# Altium PCB GSM.PcbDoc (part 1 of 2)
Units mm, origin at the board's own origin, x right, y up, seen from the top; angles counter-clockwise.
Board outline 70.85 x 70.33 mm, 4 copper layers (Top Layer, Layer 1, Layer 2, Bottom Layer), stack 1.569 mm thick; 227 components, 127 nets, 668 pads, 229 vias.
Unrouted connection lines stored in the file: 10.
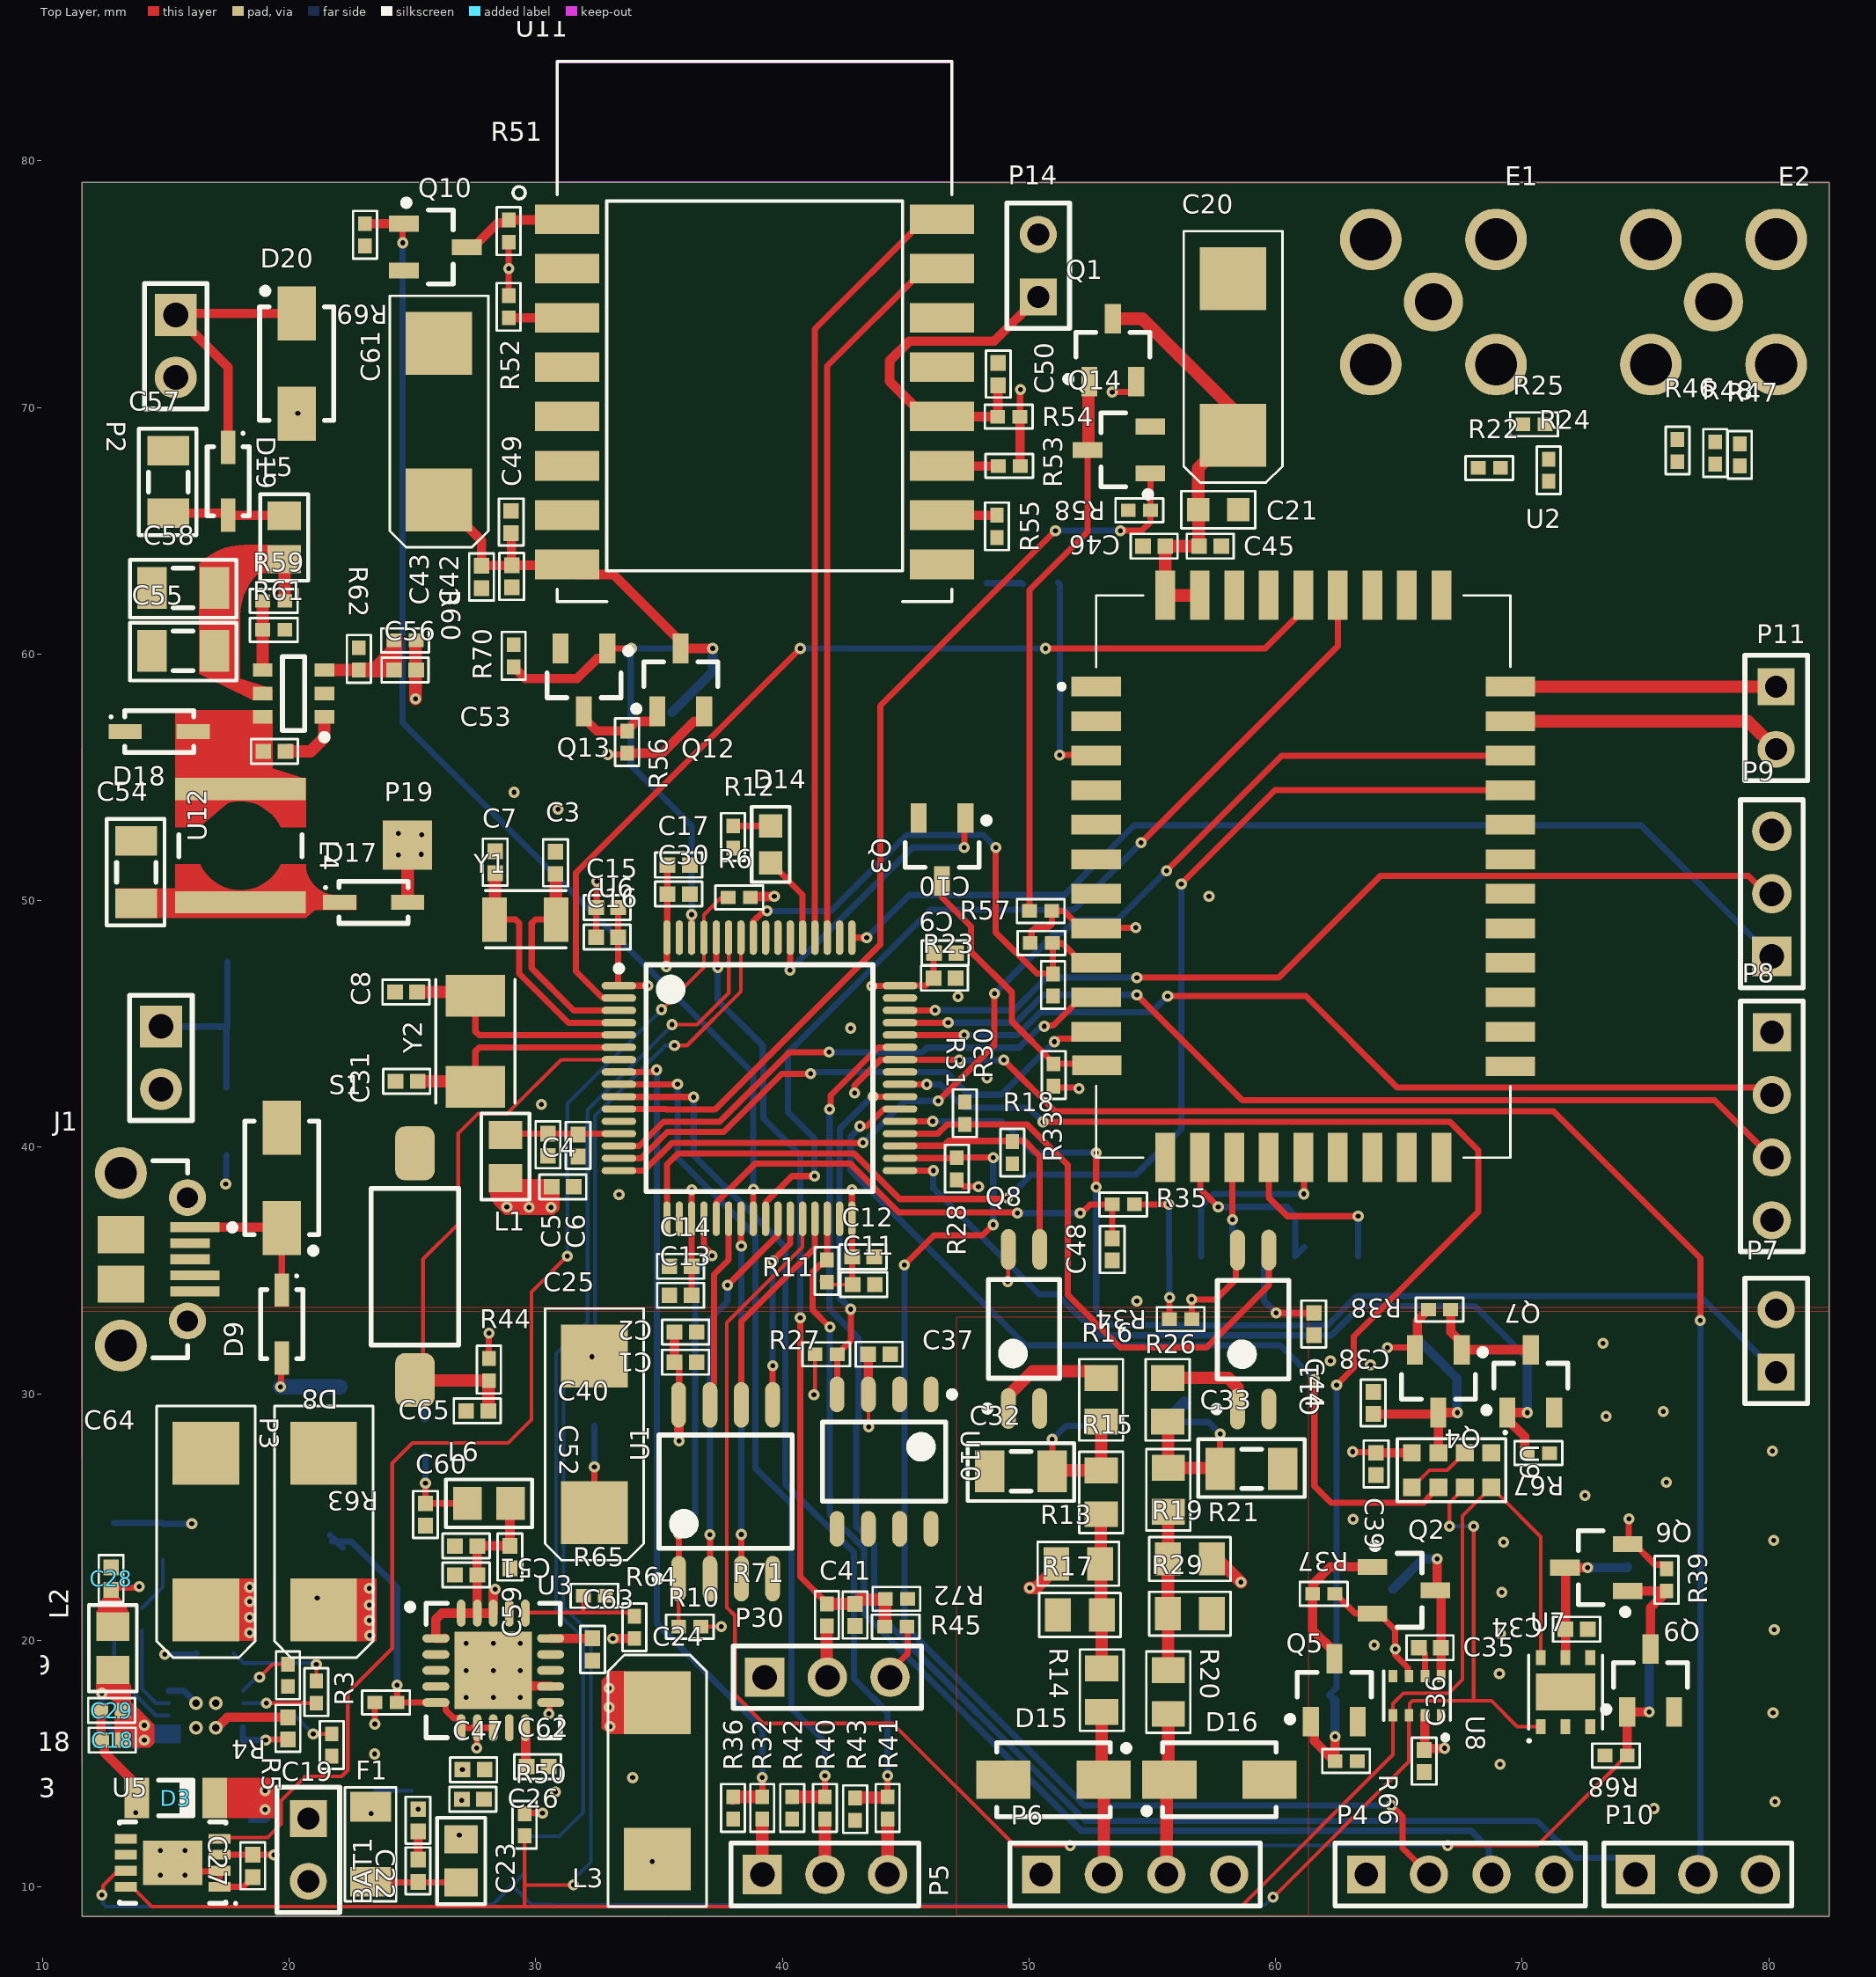
[diagram p0: Top Layer view]
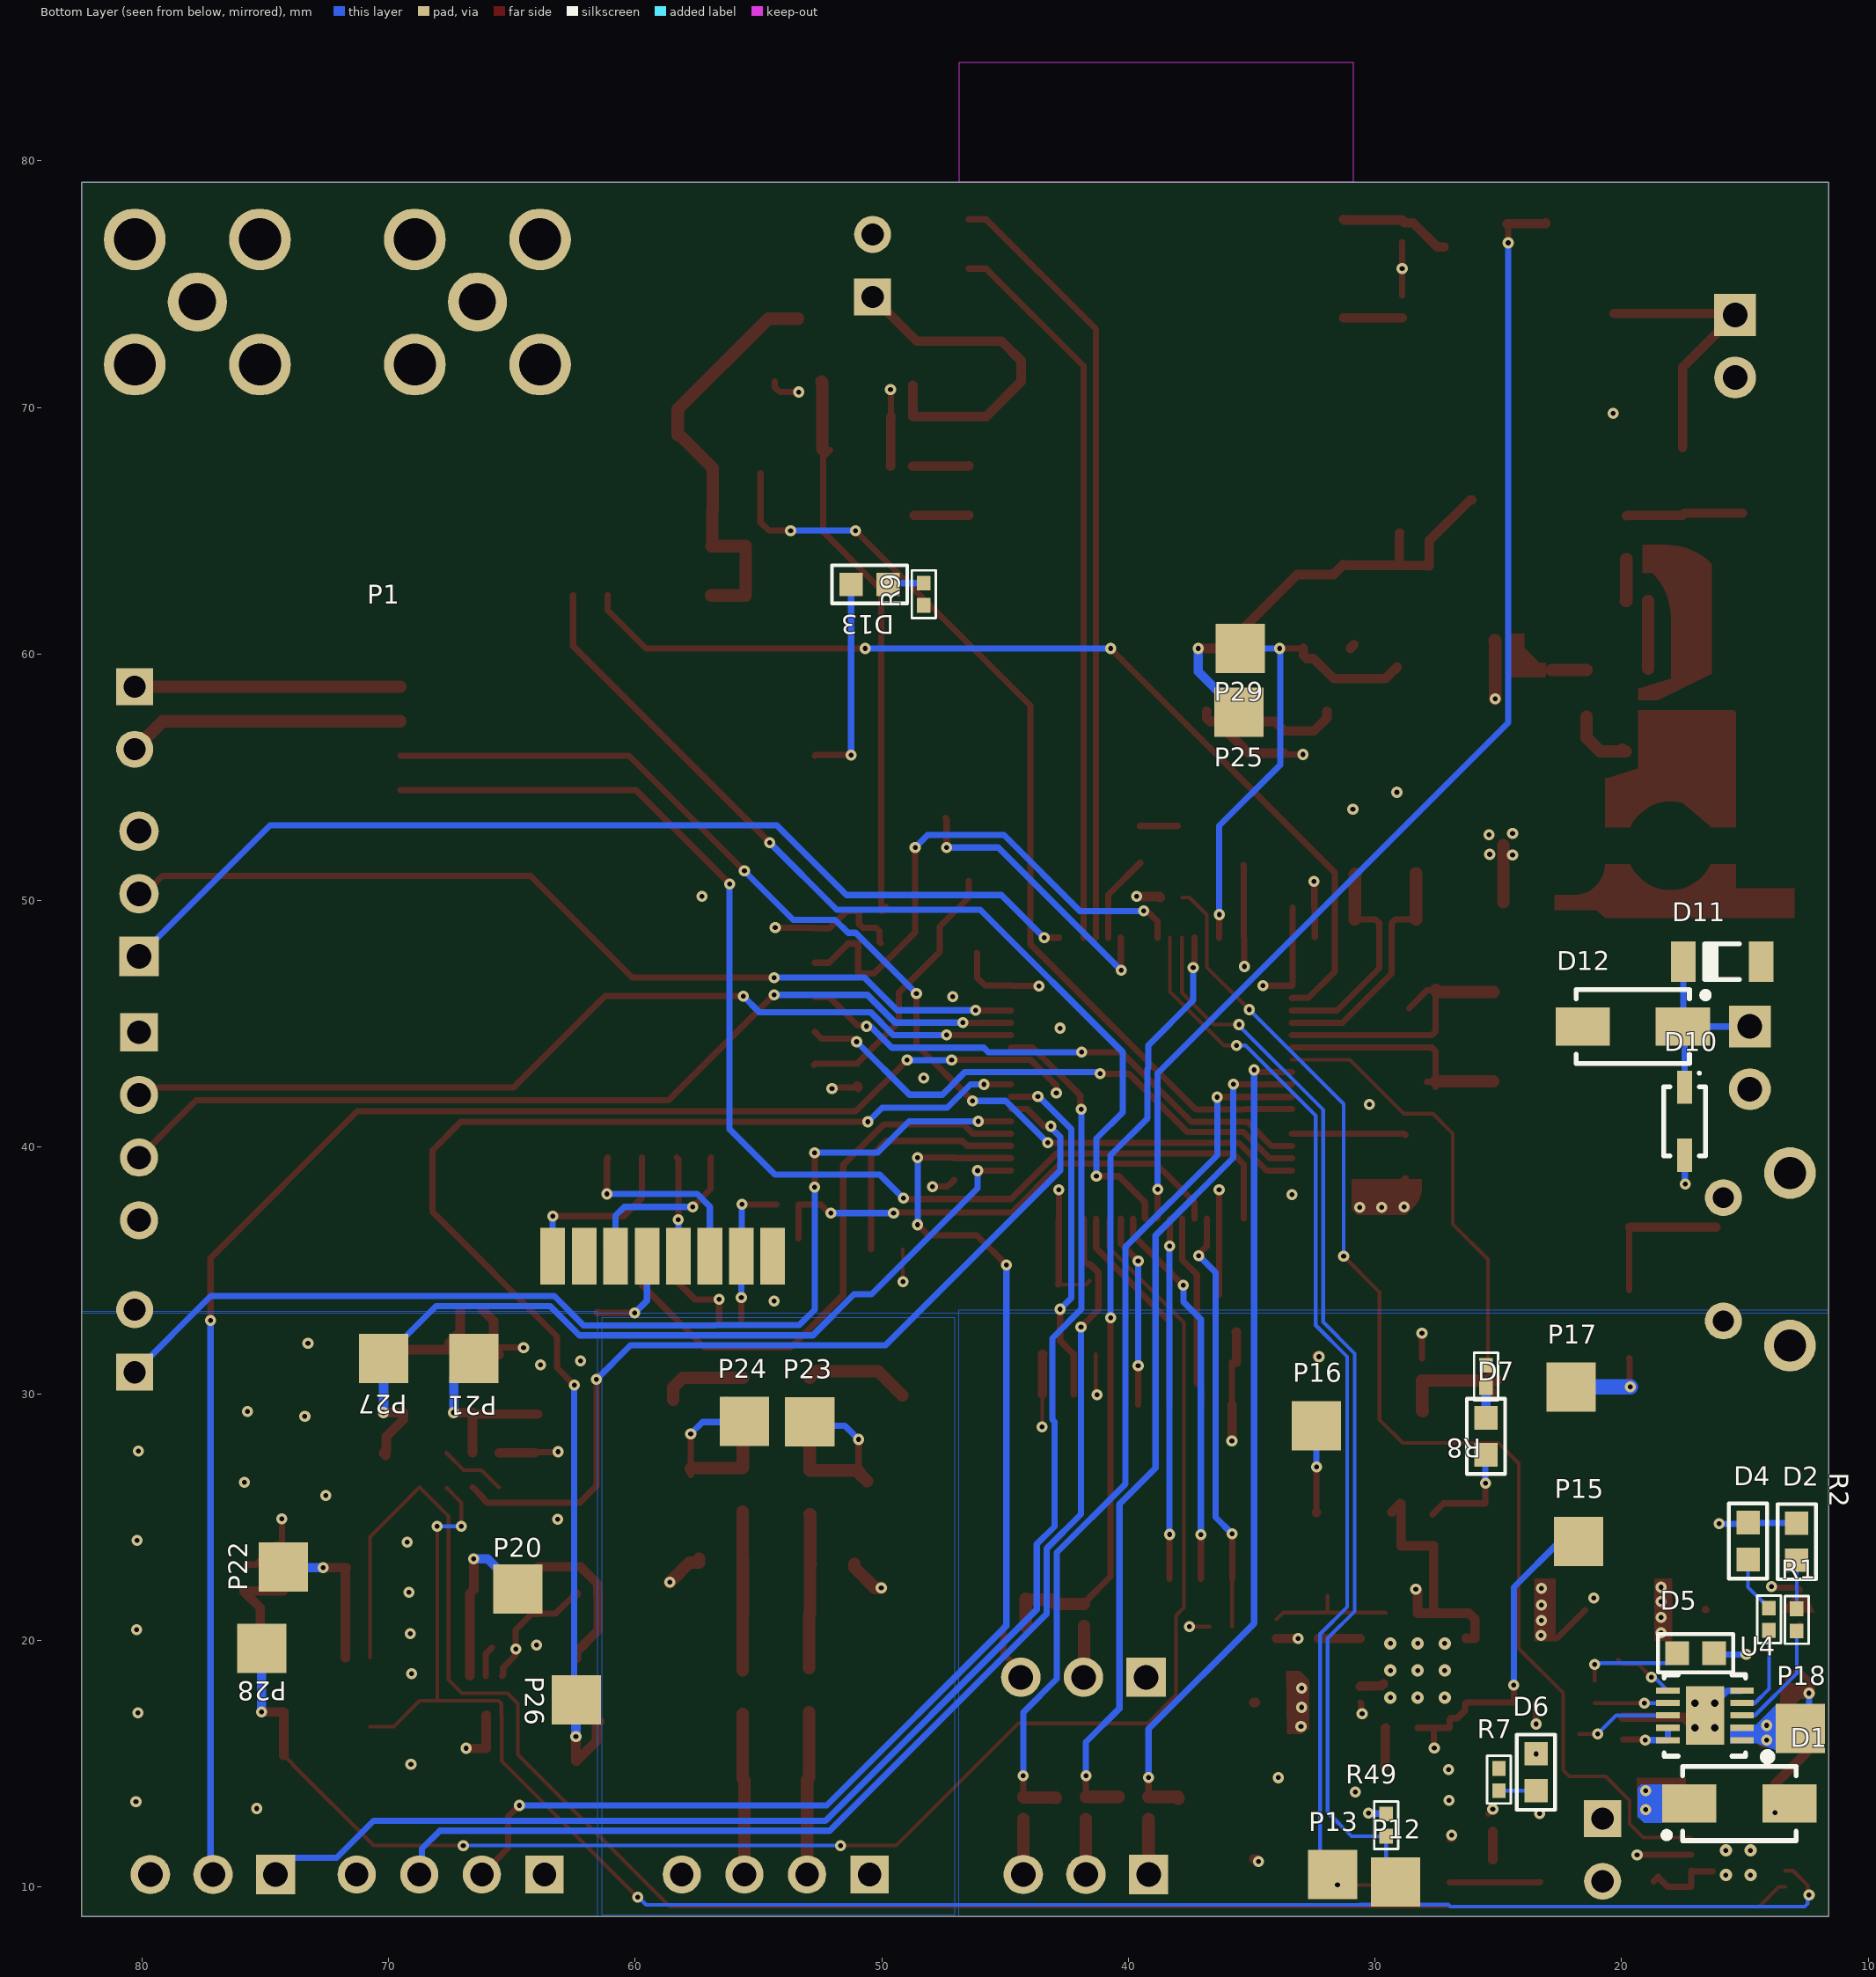
[diagram p1: Bottom Layer view, seen from below]
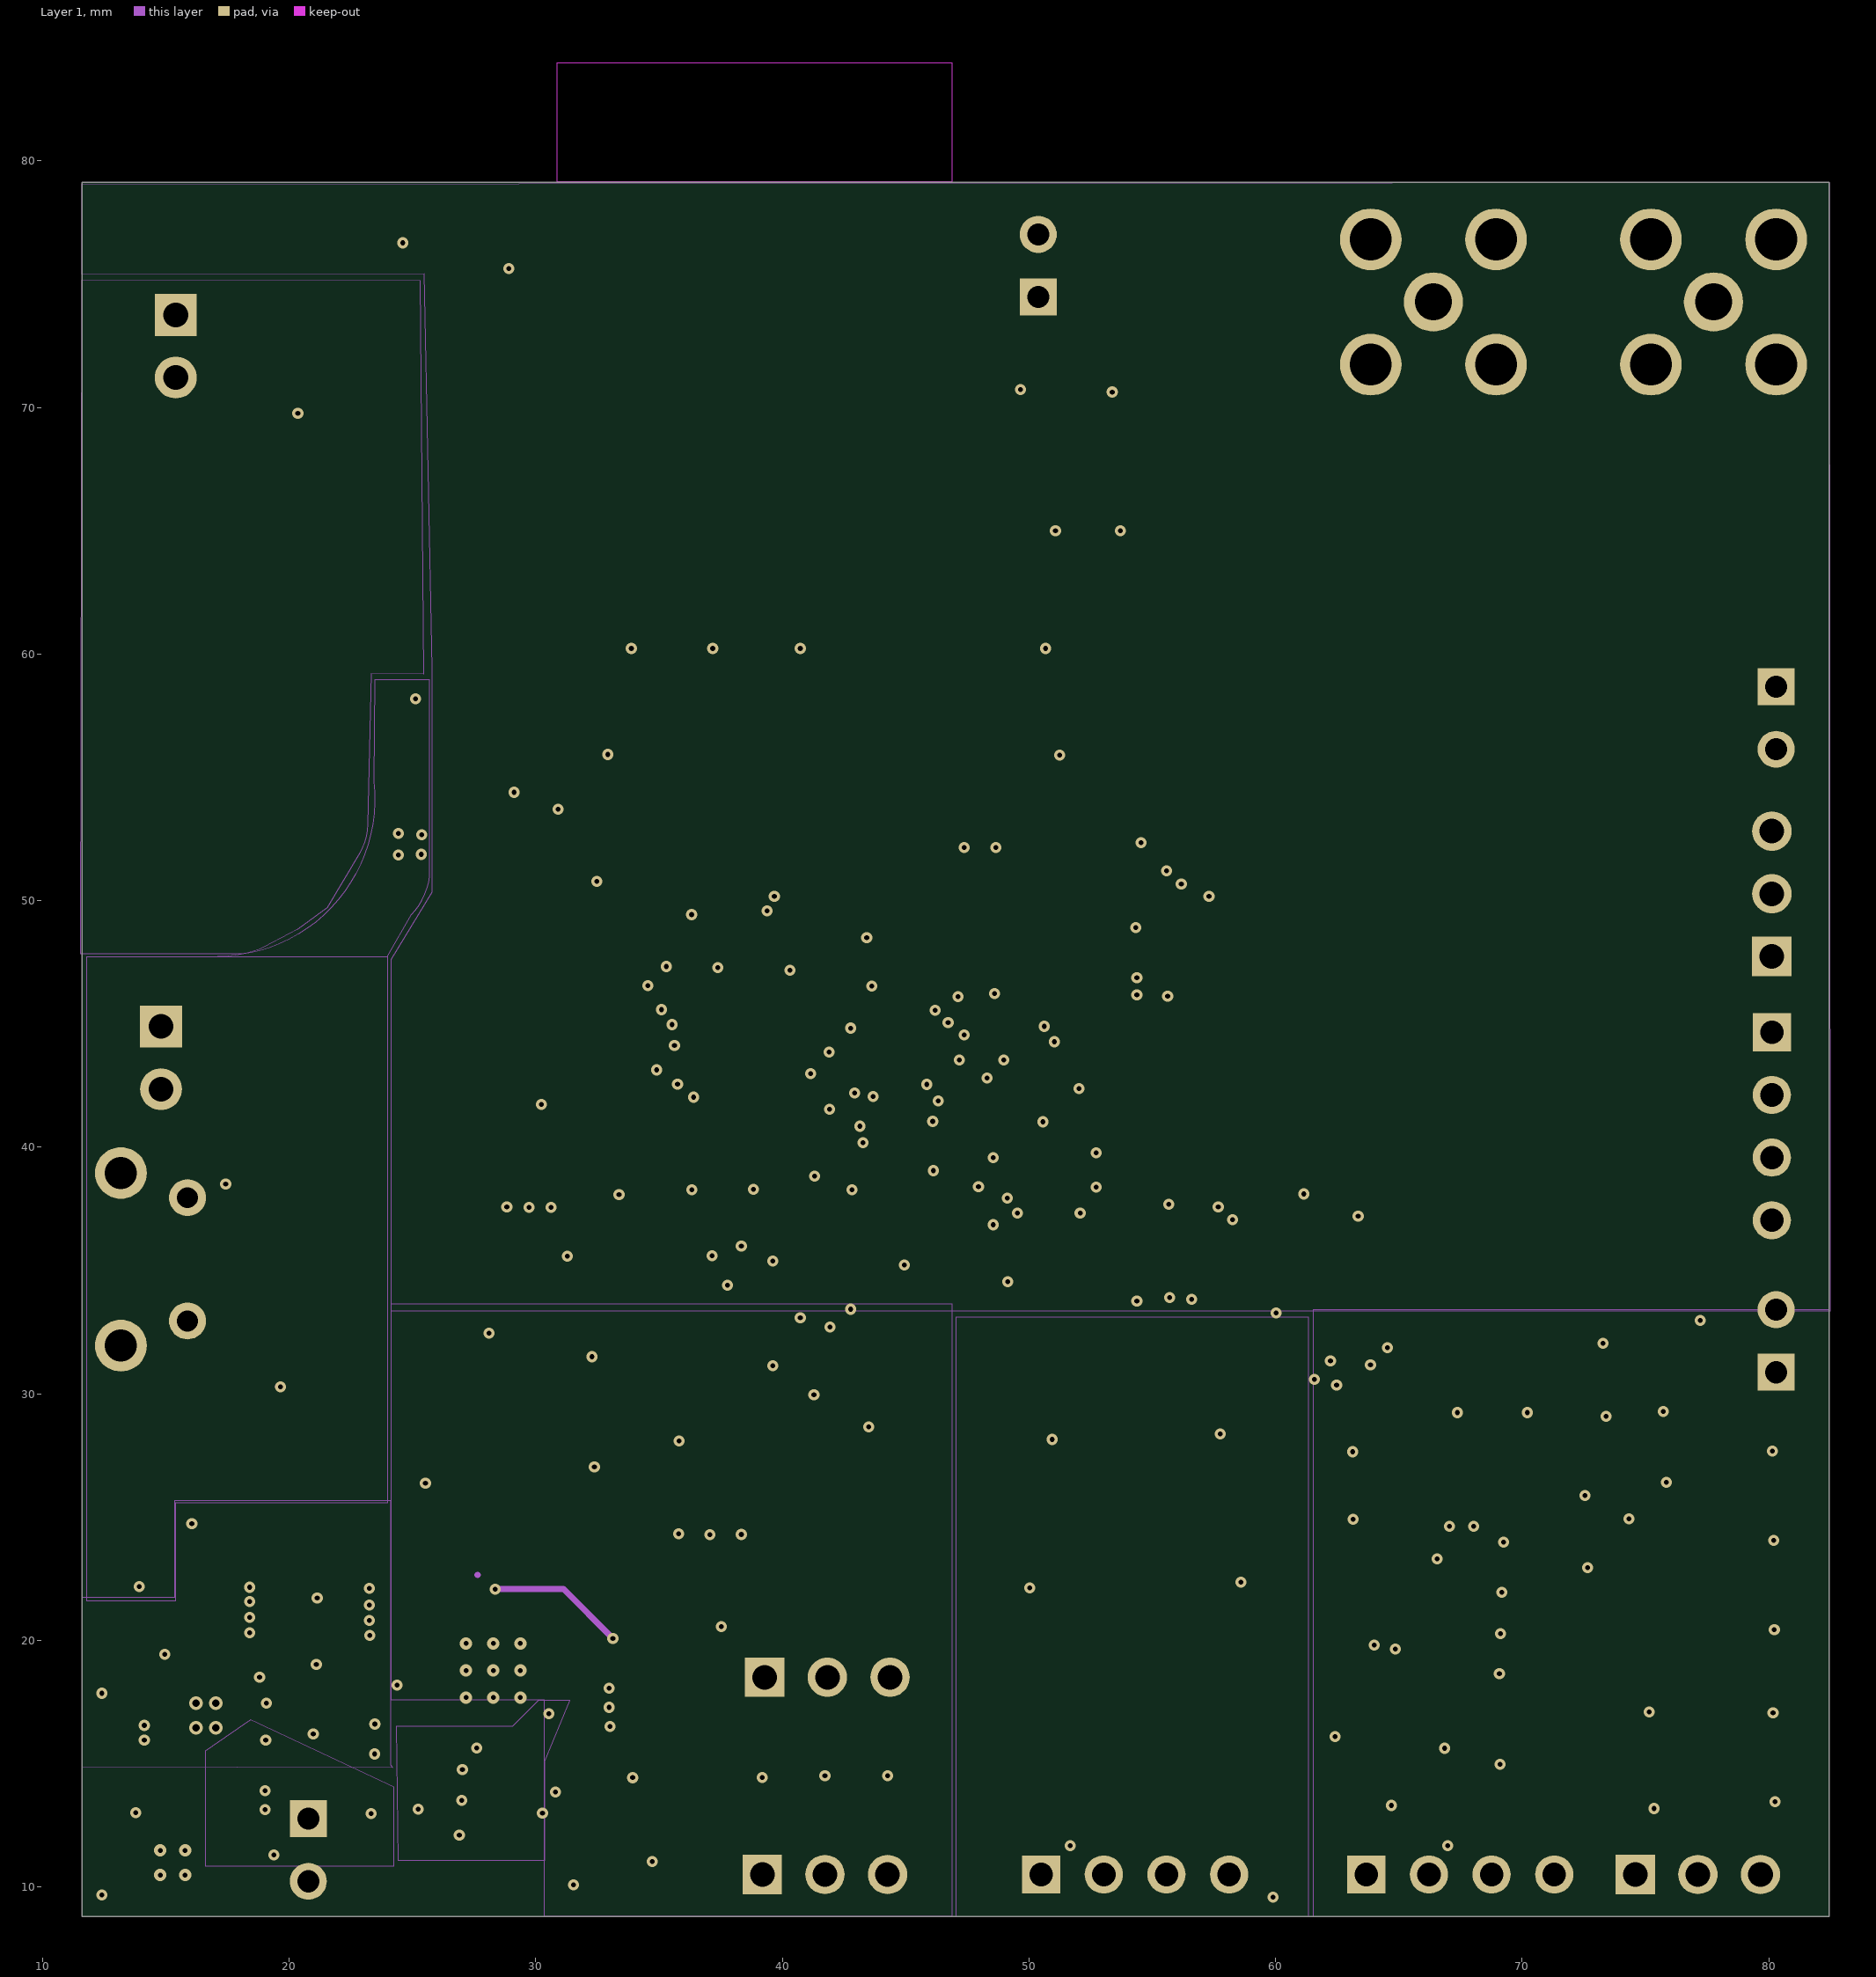
[diagram p2: Layer 1]